# Altium PCB RemoteControl.PcbDoc (part 2 of 2) (continued)
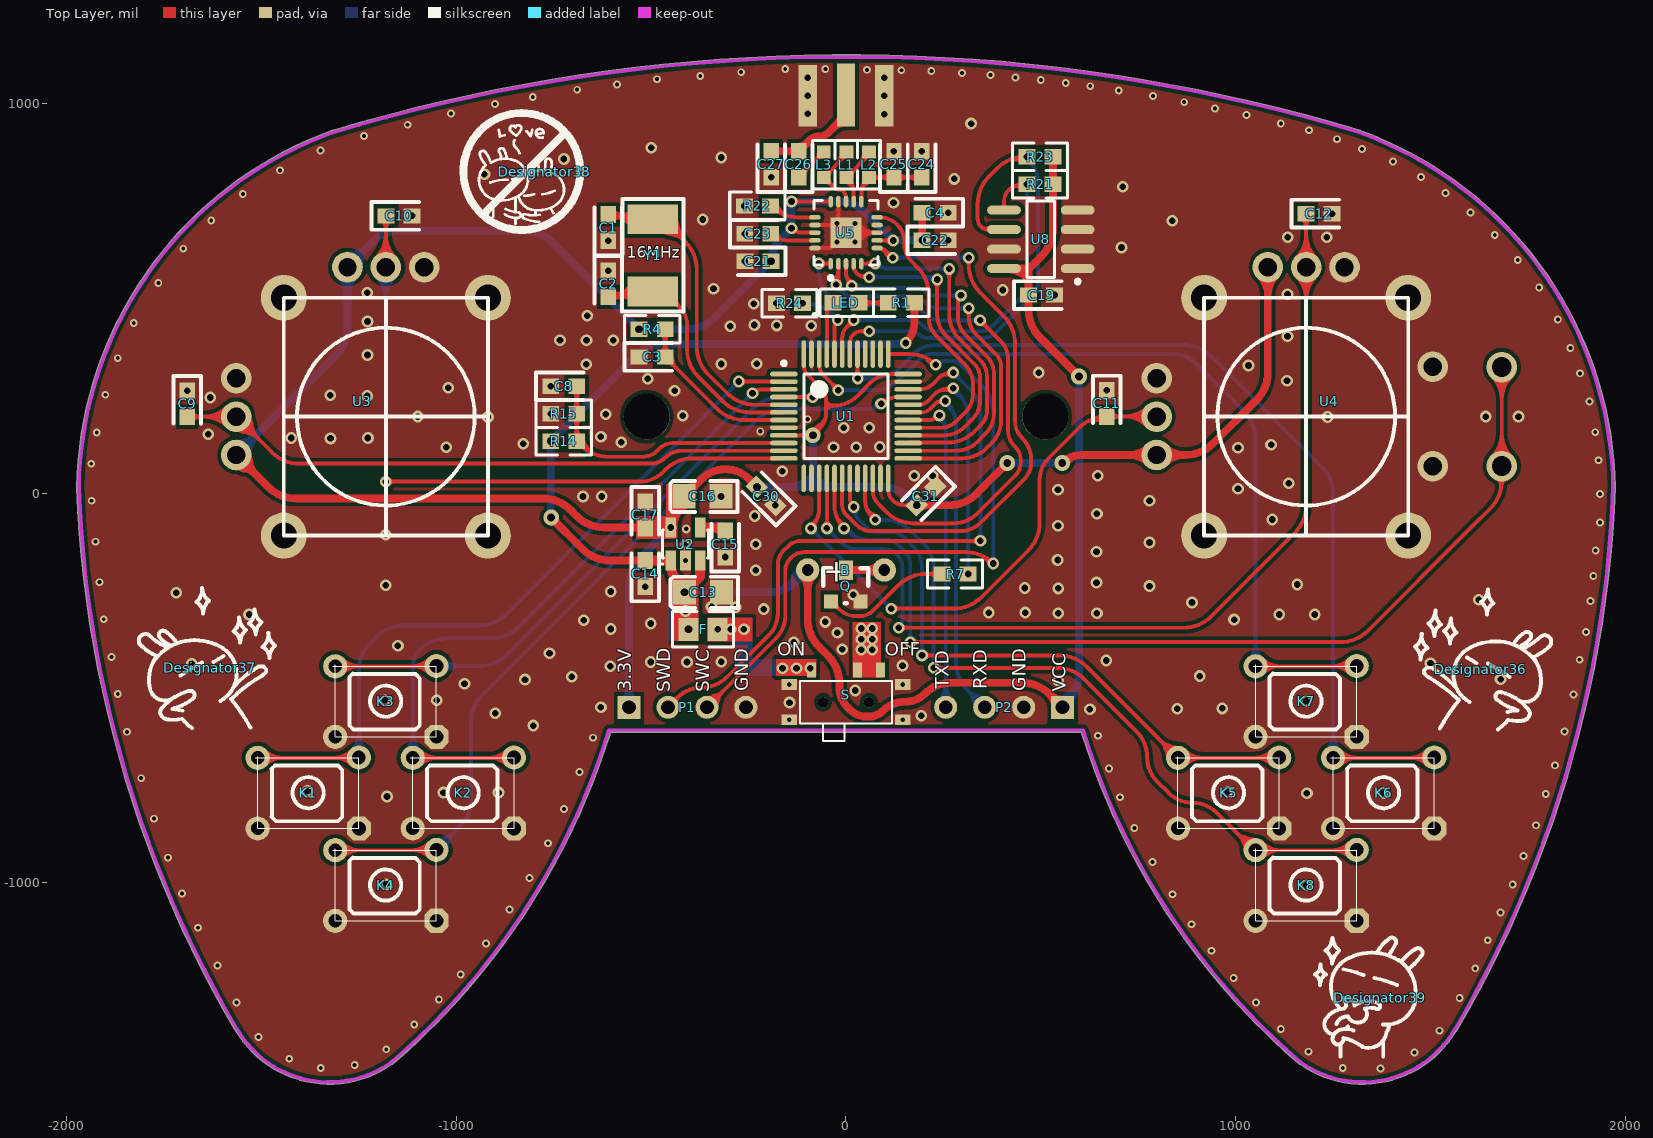
[diagram p0: Top Layer view]
## Nets (pads, with @x,y where several pads share a name; then routed paths per layer and width w, separated by ;. In a path a pad name is that pad's centre, name@x,y a point inside that pad or via, vN(x,y) a via of type N, cw(c..) or ccw(c..) an arc to the next point about the centre after c; other vN are vias at no path point) (continued)
NetR22_1: R22.1 U5.16 | length 261
  Top Layer w10: R22.1@-190.13,733.32 cw(c-183.46,718.33) -169.26,726.54 ; -120,708.37 -123.44,708.37 ; U5.16@-79.72,708.37 -123.44,708.37 ; R22.1@-194,737.6 ccw(c-123.44,808.16) -123.44,708.37 ; R22.1@-194,737.6 cw(c-123.44,808.16) R22.1@-194,737.6 R22.1@-194,737.6 ; R22.1@-188.22,723.42 cw(c-179.91,692.46) -163.9,720.23 ccw(c-179.91,692.46) R22.1@-188.22,723.42 ; R22.1@-177.85,741.41 ccw(c-140.32,751.48) -159.73,717.82 cw(c-140.32,751.48) R22.1@-177.85,741.41
NetR24_1: R24.1 U1.44 | length 393.8
  Top Layer w10: U1.44@-29.53,357.45 -29.53,424.41 cw(c-0.41,424.41) v1(-21,445) ; -28.54,431.93 ccw(c-34.08,435.12) -28.98,438.97 cw(c-34.08,435.12) -28.54,431.93 ; -28.54,431.93 cw(c-23.01,428.74) -22.23,435.08 ccw(c-23.01,428.74) -28.54,431.93
  Bottom Layer w10: v1(-111.54,488) -105.42,488 cw(c-105.42,388) -34.71,458.71 v1(-21,445) cw(c-21.58,460.43) -35.67,454.11 ; v1@-105.98,479.69 cw(c-90.29,456.25) -84.81,483.91 ccw(c-90.29,456.25) v1@-105.98,479.69 ; v1@-103.22,493.56 ccw(c-86.53,504.73) -90.44,485.03 cw(c-86.53,504.73) v1@-103.22,493.56 ; -44.8,466 cw(c-65.1,437.9) -30.87,443.41 ccw(c-65.1,437.9) -44.8,466 ; -32.73,457.28 ccw(c-24.76,468.31) -22.59,454.87 cw(c-24.76,468.31) -32.73,457.28
PA7: U1.17 U4.8 | length 3856.2
  Top Layer w10: U1.17@-29.53,38.55 -29.53,-31 ccw(c53.69,-31) v1@-5.18,-89.82 ; v1@-5.15,-89.85 v1(-5,-90) ; v1(165,-382) 1268.58,-382 ccw(c1268.58,-282) 1339.29,-352.71 1603,-89 1653.78,-38.22 ccw(c1583.07,32.49) 1683.07,32.49 U4.8@1683.07,69.9 U4.8@1683.07,323.8 ; 189.14,-382 ccw(c189.14,-406.14) 172.07,-389.07 cw(c189.14,-406.14) 189.14,-382 ; 189.14,-382 cw(c189.14,-357.86) 172.07,-374.93 ccw(c189.14,-357.86) 189.14,-382 ; 1680.84,18.69 ccw(c1663.14,21.55) 1669.97,38.12 cw(c1663.14,21.55) 1680.84,18.69 ; 1680.84,18.69 cw(c1705.98,14.62) 1696.23,38.15 ccw(c1705.98,14.62) 1680.84,18.69 ; 1683.07,128.73 ccw(c1741.9,128.73) 1700.3,87.13 cw(c1741.9,128.73) 1683.07,128.73 ; 1683.07,128.73 cw(c1624.24,128.73) 1665.84,87.13 ccw(c1624.24,128.73) 1683.07,128.73 ; 1683.07,152.87 ccw(c1766.05,152.87) 1707.37,94.2 cw(c1766.05,152.87) 1683.07,152.87 ; 1683.07,152.87 cw(c1600.09,152.87) 1658.77,94.2 ccw(c1600.09,152.87) 1683.07,152.87 ; 1683.07,240.83 ccw(c1600.09,240.83) 1658.77,299.5 cw(c1600.09,240.83) 1683.07,240.83 ; 1683.07,240.83 cw(c1766.05,240.83) 1707.37,299.5 ccw(c1766.05,240.83) 1683.07,240.83 ; 1683.07,264.97 ccw(c1624.24,264.97) 1665.84,306.57 cw(c1624.24,264.97) 1683.07,264.97 ; 1683.07,264.97 cw(c1741.9,264.97) 1700.3,306.57 ccw(c1741.9,264.97) 1683.07,264.97 ; -17.2,-68.98 ccw(c3.91,-56.81) -2.41,-80.34 cw(c3.91,-56.81) -17.2,-68.98 ; -17.04,-69.26 cw(c-37.76,-81.21) -14.66,-87.41 ccw(c-37.76,-81.21) -17.04,-69.26
  Bottom Layer w10: v1(-5,-90) -1.46,-93.54 ccw(c60,-32.09) 60,-119 100,-119 cw(c100,-169.7) 135.83,-133.83 150.45,-148.45 cw(c115.24,-183.61) 165,-183.61 v1(165,-382) ; v1@-1.39,-99.33 cw(c3.38,-111.68) 14.85,-105.06 ; 165,-357.86 ccw(c189.14,-357.86) 172.07,-374.93 cw(c189.14,-357.86) 165,-357.86 ; 165,-357.86 cw(c140.86,-357.86) 157.93,-374.93 ccw(c140.86,-357.86) 165,-357.86 ; v1@-2.41,-99.66 cw(c2.68,-118.68) 12.53,-101.63 ccw(c2.68,-118.68) v1@-2.41,-99.66 ; v1@4.66,-87.41 ccw(c32.28,-80.01) 17.98,-104.77 cw(c32.28,-80.01) v1@4.66,-87.41
RXD: P2.3 U1.31 | length 1446.8
  Top Layer w10: U1.31@159.45,207.84 193.89,207.84 ccw(c193.89,239.11) 215.99,216.99 228.01,229.01 cw(c247.31,209.69) 247.31,237 v1(255,237) ; 236.99,234.23 ccw(c233.24,248.23) 246.11,241.59 cw(c233.24,248.23) 236.99,234.23 ; 236.99,234.23 cw(c239.49,224.88) 247.12,230.84 ccw(c239.49,224.88) 236.99,234.23
  Bottom Layer w10: v1(255,237) v1@257.25,234.75 ; v1@257.28,234.72 cw(c197.5,175) 282,175 282,-433.58 ccw(c382,-433.58) 311.29,-504.29 P2.3@356,-549 ; v1@264.19,233.05 ccw(c275.47,228.2) 269.32,217.57 ; 325.48,-526.65 ccw(c362.61,-516.7) P2.3@354.9,-554.36 ; 333.65,-518.48 cw(c323.7,-555.61) P2.3@361.36,-547.9 ; 314.13,-507.13 ccw(c356,-465.26) 356,-524.47 cw(c356,-465.26) 314.13,-507.13 ; 314.13,-507.13 cw(c272.26,-549) 331.47,-549 ccw(c272.26,-549) 314.13,-507.13 ; 331.2,-524.2 ccw(c356,-499.4) 356,-534.47 cw(c356,-499.4) 331.2,-524.2 ; 331.2,-524.2 cw(c306.4,-549) 341.47,-549 ccw(c306.4,-549) 331.2,-524.2 ; v1@252.41,227.34 cw(c245.41,201.27) 268.79,214.76 ccw(c245.41,201.27) v1@252.41,227.34 ; v1@264.66,234.41 ccw(c285.22,228.89) 266.78,218.25 cw(c285.22,228.89) v1@264.66,234.41
SCK: U1.26 U5.3 | length 1249.3
  Top Layer w10: U5.3@0,589.28 0,569.21 ccw(c51.21,569.21) v1(15,533) ; U1.26@159.45,109.42 282.48,109.42 ccw(c282.48,186.52) 336.98,131.98 358.36,153.36 ccw(c306.74,204.99) 379.75,204.99 379.75,306.74 ccw(c315.74,306.74) 361,352 307,406 cw(c355.28,454.28) 287,454.28 287,488.69 cw(c314.31,488.69) v1(295,508) ; 2.93,553.92 ccw(c23.85,565.99) 17.59,542.66 cw(c23.85,565.99) 2.93,553.92 ; 2.93,553.9 cw(c-17.97,541.84) 5.34,535.59 ccw(c-17.97,541.84) 2.93,553.9
  Bottom Layer w10: v1@23.54,527.8 cw(c32.19,522.55) 37.25,531.31 ; 250,508 227.31,508 ; v1(295,508) 227.31,508 ; v1(15,533) ccw(c29.49,547.49) 29.49,527 cw(c29.49,547.49) v1(15,533) ; v1(15,533) 21,527 181.44,527 cw(c181.44,489.44) 207.97,516.03 ; 208.01,515.99 ccw(c227.31,535.31) 227.31,508 ; 207.97,516.03 208.01,515.99 ; 270.86,508 ccw(c270.86,532.14) 287.93,515.07 cw(c270.86,532.14) 270.86,508 ; 270.86,508 cw(c270.86,483.86) 287.93,500.93 ccw(c270.86,483.86) 270.86,508 ; v1@22.07,540.07 ccw(c53.63,571.63) 53.63,527 cw(c53.63,571.63) v1@22.07,540.07
SCL: R23.1 U1.42 U8.6 | length 1712.8
  Top Layer w10: U1.42@9.84,357.45 9.84,385.89 cw(c41.11,385.89) 19,408 cw(c38.31,388.69) 38.31,416 ; v1(60,416) 38.31,416 ; 338,722 338,704.31 ; U8.6@405.51,677 365.31,677 cw(c365.31,704.31) 346.01,684.99 cw(c365.31,704.31) 338,704.31 ; v1(464.54,864) 459.42,864 ccw(c459.42,764) 388.71,834.71 367.29,813.29 ccw(c438,742.58) 338,742.58 338,704.31 ; 38.31,416 ccw(c38.31,434.51) 52.39,422.49 cw(c38.31,434.51) 38.31,416 ; 38.31,416 cw(c38.31,397.49) 52.39,409.51 ccw(c38.31,397.49) 38.31,416 ; 355.43,679.65 ccw(c359.8,695.97) 369.93,682.45 cw(c359.8,695.97) 355.43,679.65 ; 426.2,856.04 cw(c435.04,819.13) 454.89,851.48 ccw(c435.04,819.13) 426.2,856.04 ; 429.64,856.87 ccw(c421.96,888.91) 450.05,871.68 cw(c421.96,888.91) 429.64,856.87 ; 438.26,859.69 cw(c443.77,832.62) 459.02,855.66 ccw(c443.77,832.62) 438.26,859.69 ; R23.1@443.09,860.68 ccw(c438.97,880.92) 456.2,869.52 cw(c438.97,880.92) R23.1@443.09,860.68
  Bottom Layer w10: v1(60,416) 166.45,416 cw(c166.45,385.7) 187.85,407.15 187.89,407.11 ccw(c209.3,428.55) 209.3,398.25 350,398.25 ccw(c350,447.81) 385.05,412.77 482.3,510.02 ccw(c457.82,534.46) 492.41,534.46 492.41,796.71 ccw(c397.24,796.71) v1(464.54,864) ; v1@473.43,859.44 ccw(c482.94,854.56) 477.6,845.3 ; 84.14,416 ccw(c84.14,391.86) 67.07,408.93 cw(c84.14,391.86) 84.14,416 ; 84.14,416 cw(c84.14,440.14) 67.07,423.07 ccw(c84.14,440.14) 84.14,416 ; 476.61,843.09 ccw(c455.7,831.02) 461.95,854.34 cw(c455.7,831.02) 476.61,843.09 ; 476.61,843.09 cw(c497.51,855.16) 474.2,861.41 ccw(c497.51,855.16) 476.61,843.09
SDA: R21.1 U1.43 U8.5 | length 1454
  Top Layer w10: U1.43@-9.84,357.45 -9.84,398 cw(c31.58,398) 2.27,427.27 ; 2.29,427.29 v1(20,445) ; 6.62,432.4 cw(c23.51,427.88) v1(20,445) ; 7.4,431.62 ccw(c2.88,448.51) v1(20,445) ; U8.5@405.51,727 405.51,748.85 cw(c448.15,748.85) 417.97,778.97 ; 418,779 cw(c451.8,745.2) 451.8,793 v1(464.54,793) ; 2.93,427.93 ccw(c-14.14,445) 10,445 cw(c-14.14,445) 2.93,427.93 ; 2.93,427.93 cw(c20,410.86) 20,435 ccw(c20,410.86) 2.93,427.93 ; 405.51,743.44 ccw(c421.96,743.44) 410.33,731.82 cw(c421.96,743.44) 405.51,743.44 ; 405.51,743.44 cw(c389.07,743.44) 400.7,731.82 ccw(c389.07,743.44) 405.51,743.44 ; 432.56,787.85 cw(c437.83,768.19) 452.2,782.6 ccw(c437.83,768.19) 432.56,787.85 ; 433.42,788.07 cw(c442.1,755.65) 459.39,784.43 ccw(c442.1,755.65) 433.42,788.07 ; 434.1,788.26 ccw(c427.39,813.31) 449.85,800.34 cw(c427.39,813.31) 434.1,788.26 ; R21.1@448.05,792 ccw(c444.72,804.44) 455.88,798 cw(c444.72,804.44) R21.1@448.05,792
  Bottom Layer w10: v1(20,445) 160.37,445 cw(c160.37,390.37) 198.98,429.02 ccw(c230.08,460.08) 230.08,416.13 346.33,416.13 ccw(c346.33,456.67) 375,428 446,499 ; v1(464.54,793) 464.54,535 cw(c422.37,535) 452.21,505.21 ; 44.14,445 ccw(c44.14,420.86) 27.07,437.93 cw(c44.14,420.86) 44.14,445 ; 44.14,445 cw(c44.14,469.14) 27.07,452.07 ccw(c44.14,469.14) 44.14,445 ; 446,499 452.21,505.21 ; 446,499 452.19,505.19 ; 464.54,768.86 ccw(c440.39,768.86) 457.46,785.93 cw(c440.39,768.86) 464.54,768.86 ; 464.54,768.86 cw(c488.68,768.86) 471.61,785.93 ccw(c488.68,768.86) 464.54,768.86
SWCLK: P1.3 U1.37 | length 2390.8
  Top Layer w10: P1.3@-362.36,-547.9 cw(c-324.7,-555.61) -334.65,-518.48 ; P1.3@-357,-549 -178.98,-370.98 ccw(c-234.53,-315.47) -156,-315.47 -156,-200 cw(c-107.72,-200) -141.88,-165.88 ; P1.3@-355.9,-554.36 ccw(c-363.61,-516.7) -326.48,-526.65 ; -141.86,-165.86 -141.5,-165.5 cw(c-106.49,-200.51) -106.49,-151 307.99,-151 cw(c307.99,-250.01) v1(378,-180) ; U1.37@108.27,357.45 163.73,357.45 cw(c163.73,263.73) v1(230,330) ; -332.2,-524.2 ccw(c-307.4,-549) -342.47,-549 cw(c-307.4,-549) -332.2,-524.2 ; -332.2,-524.2 cw(c-357,-499.4) -357,-534.47 ccw(c-357,-499.4) -332.2,-524.2 ; -315.13,-507.13 ccw(c-273.26,-549) -332.47,-549 cw(c-273.26,-549) -315.13,-507.13 ; -315.13,-507.13 cw(c-357,-465.26) -357,-524.47 ccw(c-357,-465.26) -315.13,-507.13 ; 209.09,342.07 ccw(c221.16,362.98) 227.41,339.66 cw(c221.16,362.98) 209.09,342.07 ; 209.09,342.07 cw(c197.02,321.16) 220.34,327.41 ccw(c197.02,321.16) 209.09,342.07 ; 357.21,-167.73 ccw(c369.48,-146.94) 375.51,-170.32 cw(c369.48,-146.94) 357.21,-167.73 ; 357.21,-167.73 cw(c344.94,-188.52) 368.32,-182.49 ccw(c344.94,-188.52) 357.21,-167.73
  Bottom Layer w10: v1(230,330) cw(c254.14,305.86) 254.14,340 274,340 cw(c274,314.84) 291.78,332.64 348.71,275.71 cw(c278,205) 378,205 v1(378,-180) ; 245.34,338.85 ccw(c250.67,329.6) 240,329.81 cw(c250.67,329.6) 245.34,338.85 ; 245.34,338.85 cw(c240,348.11) 234.84,338.75 ccw(c240,348.11) 245.34,338.85 ; 378,-155.86 ccw(c402.14,-155.86) 385.07,-172.93 cw(c402.14,-155.86) 378,-155.86 ; 378,-155.86 cw(c353.86,-155.86) 370.93,-172.93 ccw(c353.86,-155.86) 378,-155.86
SWDIO: P1.2 U1.34 | length 2030.1
  Top Layer w10: P1.2@-457,-549 -431.04,-523.04 ; -115,-122 -115.2,-122 ; U1.34@159.45,266.9 188.95,266.9 ccw(c188.95,315.05) 223,281 237.5,295.5 cw(c272.51,260.49) 272.51,310 v1(275,310) ; v1(345,-122) -115.2,-122 ; -431.04,-523.04 cw(c-373,-581.08) -373,-499 ccw(c-373,-402.43) -304.72,-470.72 -197.98,-363.98 ccw(c-253.53,-308.47) -175,-308.47 -175,-183.21 cw(c-123.79,-183.21) -160.01,-147.01 -149,-136 cw(c-115.2,-169.8) -115.2,-122 ; -431.04,-523.04 ccw(c-420.29,-533.8) -434.34,-539.61 cw(c-420.29,-533.8) -431.04,-523.04 ; -431.04,-523.04 cw(c-441.8,-512.29) -447.61,-526.34 ccw(c-441.8,-512.29) -431.04,-523.04 ; 320.86,-122 ccw(c320.86,-97.86) 337.93,-114.93 cw(c320.86,-97.86) 320.86,-122 ; 320.86,-122 cw(c320.86,-146.14) 337.93,-129.07 ccw(c320.86,-146.14) 320.86,-122 ; 250.01,303.97 cw(c256.83,278.52) 270,301.34 ccw(c256.83,278.52) 250.01,303.97 ; 253.02,304.78 ccw(c247.34,325.97) 266.34,315 cw(c247.34,325.97) 253.02,304.78
  Bottom Layer w10: v1(275,310) 319,266 cw(c256.23,203.23) 345,203.23 v1(345,-122) ; 292.07,292.93 ccw(c275,275.86) 275,300 cw(c275,275.86) 292.07,292.93 ; 292.07,292.93 cw(c309.14,310) 285,310 ccw(c309.14,310) 292.07,292.93 ; 345,-97.86 ccw(c369.14,-97.86) 352.07,-114.93 cw(c369.14,-97.86) 345,-97.86 ; 345,-97.86 cw(c320.86,-97.86) 337.93,-114.93 ccw(c320.86,-97.86) 345,-97.86
TXD: P2.4 U1.30 | length 1285.6
  Top Layer w10: U1.30@159.45,188.16 211.41,188.16 ccw(c211.41,228.59) v1(240,200) ; 221.88,189.54 ccw(c213.43,204.17) 230.12,201.55 cw(c213.43,204.17) 221.88,189.54 ; 221.88,189.54 cw(c230.33,174.9) 236.4,190.67 ccw(c230.33,174.9) 221.88,189.54
  Bottom Layer w10: v1(240,200) cw(c201.37,161.37) 256,161.37 P2.4@256,-549 ; v1@248.9,195.43 ccw(c258.4,190.55) 253.05,181.3 ; 256,-513.93 ccw(c291.07,-513.93) 266.27,-538.73 cw(c291.07,-513.93) 256,-513.93 ; 256,-513.93 cw(c220.93,-513.93) 245.73,-538.73 ccw(c220.93,-513.93) 256,-513.93 ; 256,-489.79 ccw(c315.21,-489.79) 273.34,-531.66 cw(c315.21,-489.79) 256,-489.79 ; 256,-489.79 cw(c196.79,-489.79) 238.66,-531.66 ccw(c196.79,-489.79) 256,-489.79 ; v1@237.41,190.34 cw(c231.14,167) 252.08,179.07 ccw(c231.14,167) v1@237.41,190.34 ; v1@249.66,197.41 ccw(c272.95,191.15) 252.06,179.1 cw(c272.95,191.15) v1@249.66,197.41
VCC: B.1 C13.2 C14.2 C19.1 F.2 P2.1 R1.1 R14.1 R21.2 R23.2 U2.1 U2.3 U8.8 | length 7311.5
  Top Layer w20: v3(-757,-62) -675.75,-143.25 ccw(c-605.04,-72.54) -605.04,-172.54 ; -553,-172.54 -605.04,-172.54 ; C14.2@-515,-172.54 -605.04,-172.54 ; B.1@-98.43,-196.85 -98.43,-323.15 ccw(c1.57,-323.15) -69.14,-393.86 -57.71,-405.29 ; v1(153,386) ccw(c98.77,440.23) 175.46,440.23 R1.1@175.46,489 ; 531.46,712 531.46,679.89 ; R23.2@531.46,864 R21.2@531.46,793 531.46,679.89 ; P2.1@556,-549 522.29,-515.29 ccw(c451.58,-586) 451.58,-486 270.6,-486 ccw(c270.6,-581.6) 203,-514 cw(c152.3,-463.3) 152.3,-535 150.53,-535 ccw(c150.53,-613.53) 95.02,-557.98 cw(c58.79,-521.79) 58.79,-573 53,-573 cw(c53,-512.64) 10.32,-555.32 5,-550 cw(c58.11,-496.89) -17,-496.89 -17,-487 ccw(c-115.98,-487) -45.96,-417.04 ; v3(598,300) 497.83,400.17 cw(c568.54,470.89) 468.54,470.89 C19.1@468.54,509 468.54,550 ; -739.93,-79.07 ccw(c-757,-96.14) -757,-72 cw(c-757,-96.14) -739.93,-79.07 ; -739.93,-79.07 cw(c-722.86,-62) -747,-62 ccw(c-722.86,-62) -739.93,-79.07 ; -538.38,-172.54 ccw(c-538.38,-149.15) -521.85,-165.69 cw(c-538.38,-149.15) -538.38,-172.54 ; -538.38,-172.54 cw(c-538.38,-195.92) -521.85,-179.38 ccw(c-538.38,-195.92) -538.38,-172.54 ; -98.43,-245.13 ccw(c-146.71,-245.13) -112.57,-210.99 cw(c-146.71,-245.13) -98.43,-245.13 ; -98.43,-245.13 cw(c-50.14,-245.13) -84.28,-210.99 ccw(c-50.14,-245.13) -98.43,-245.13 ; -57.71,-405.29 -45.96,-417.04 ; -57.71,-405.29 -45.99,-417.01 cw(c-115.98,-487) -45.96,-417.04 ; 175.46,465.62 ccw(c152.08,465.62) 168.62,482.15 cw(c152.08,465.62) 175.46,465.62 ; 175.46,465.62 cw(c198.85,465.62) 182.31,482.15 ccw(c198.85,465.62) 175.46,465.62 ; 468.54,485.62 ccw(c445.15,485.62) 461.69,502.15 cw(c445.15,485.62) 468.54,485.62 ; 468.54,485.62 cw(c491.92,485.62) 475.38,502.15 ccw(c491.92,485.62) 468.54,485.62 ; 468.54,532.38 ccw(c491.92,532.38) 475.38,515.85 cw(c491.92,532.38) 468.54,532.38 ; 468.54,532.38 cw(c445.15,532.38) 461.69,515.85 ccw(c445.15,532.38) 468.54,532.38 ; 468.54,550 468.54,575.54 470,577 ; 468.54,550 467.01,551.53 ccw(c405.51,490.03) U8.8@405.51,577 470,577 ; 470,577 502.17,609.17 ccw(c431.46,679.89) 531.46,679.89 ; 522.66,-515.66 ccw(c556,-482.33) 556,-529.47 cw(c556,-482.33) 522.66,-515.66 ; 522.66,-515.66 cw(c489.33,-549) 536.47,-549 ccw(c489.33,-549) 522.66,-515.66 ; 531.46,769.62 ccw(c508.08,769.62) 524.62,786.15 cw(c508.08,769.62) 531.46,769.62 ; 531.46,769.62 cw(c554.85,769.62) 538.31,786.15 ccw(c554.85,769.62) 531.46,769.62 ; 531.46,816.38 ccw(c554.85,816.38) 538.31,799.85 cw(c554.85,816.38) 531.46,816.38 ; 531.46,816.38 cw(c508.08,816.38) 524.62,799.85 ccw(c508.08,816.38) 531.46,816.38 ; 531.46,840.62 ccw(c508.08,840.62) 524.62,857.15 cw(c508.08,840.62) 531.46,840.62 ; 531.46,840.62 cw(c554.85,840.62) 538.31,857.15 ccw(c554.85,840.62) 531.46,840.62 ; 580.93,317.07 ccw(c598,334.14) 598,310 cw(c598,334.14) 580.93,317.07 ; 580.93,317.07 cw(c563.86,300) 588,300 ccw(c563.86,300) 580.93,317.07 ; U8.8@438.58,577.91 ccw(c466.47,594.01) 458.13,562.9 cw(c466.47,594.01) U8.8@438.58,577.91
  Top Layer w25: C14.2@-515,-172.54 -514.79,-172.32 U2.1@-449.4,-172.32 -449.4,-177.42 ccw(c-349.4,-177.42) -420.11,-248.13 v3(-414.24,-254) -374.6,-214.35 U2.3@-374.6,-172.32 ; -441.28,-217.43 cw(c-453.52,-238.62) C13.2@-430.36,-246.53 ; -442.13,-216.94 cw(c-462.55,-252.31) C13.2@-421.74,-253.74 ; -442.13,-216.94 cw(c-462.55,-252.31) C13.2@-421.74,-253.74 ; -442.13,-216.94 cw(c-462.55,-252.31) C13.2@-421.74,-253.74 ; -441.29,-211.45 ccw(c-396.43,-185.55) -409.84,-235.58 cw(c-396.43,-185.55) -441.29,-211.45 ; C13.2@-433.73,-224.55 cw(c-460.07,-239.75) -430.69,-247.62 ccw(c-460.07,-239.75) C13.2@-433.73,-224.55 ; C13.2@-427.75,-234.9 ccw(c-405.72,-222.18) -412.3,-246.76 cw(c-405.72,-222.18) C13.2@-427.75,-234.9 ; C13.2@-414.24,-235 ccw(c-414.24,-189.14) -381.82,-221.57 cw(c-414.24,-189.14) C13.2@-414.24,-235 ; C13.2@-397.22,-252.03 cw(c-360.86,-252.03) -386.57,-226.32 ccw(c-360.86,-252.03) C13.2@-397.22,-252.03
  Bottom Layer w20: v3@-757.93,-62 v3(-757.93,134) -538.09,353.84 cw(c-467.38,283.13) -467.38,383.13 150.13,383.13 v1(153,386) ; v3(-414.24,-254) -197,-254 ccw(c-197,-154) -126.29,-224.71 B.1@-98.43,-196.85 ccw(c-102.31,-228.27) -129.74,-212.44 ; -144.83,-238.58 cw(c-106.34,-260.81) B.1@-100.88,-216.7 ; P2.1@555.55,-549.14 cw(c578.91,-542.15) P2.1@566.72,-521.03 ; P2.1@556,-549 568.71,-536.29 ccw(c498,-465.58) 598,-465.58 ; P2.1@574.71,-543.41 cw(c603.83,-534.7) 588.63,-508.38 ; 598,-400 598,-465.58 ; v3(598,300) 598,-465.58 ; -757.93,109.86 ccw(c-782.07,109.86) -765,126.93 cw(c-782.07,109.86) -757.93,109.86 ; -757.93,109.86 cw(c-733.79,109.86) -750.86,126.93 ccw(c-733.79,109.86) -757.93,109.86 ; -740.86,151.07 ccw(c-723.79,134) -747.93,134 cw(c-723.79,134) -740.86,151.07 ; -740.86,151.07 cw(c-757.93,168.14) -757.93,144 ccw(c-757.93,168.14) -740.86,151.07 ; -390.1,-254 ccw(c-390.1,-278.14) -407.17,-261.07 cw(c-390.1,-278.14) -390.1,-254 ; -390.1,-254 cw(c-390.1,-229.86) -407.17,-246.93 ccw(c-390.1,-229.86) -390.1,-254 ; 598,275.86 ccw(c573.86,275.86) 590.93,292.93 cw(c573.86,275.86) 598,275.86 ; 598,275.86 cw(c622.14,275.86) 605.07,292.93 ccw(c622.14,275.86) 598,275.86 ; v3@-764.07,-54.93 ccw(c-778.9,-40.1) -757.93,-40.1 cw(c-778.9,-40.1) v3@-764.07,-54.93 ; -757.93,-35.61 ccw(c-730.61,-35.61) -749.93,-54.93 cw(c-730.61,-35.61) -757.93,-35.61 ; -156.46,-242.13 ccw(c-198.01,-170.17) -117.74,-191.67 cw(c-198.01,-170.17) -156.46,-242.13 ; 133.99,383.13 ccw(c133.99,405.01) 149.46,389.54 cw(c133.99,405.01) 133.99,383.13 ; P2.1@550.95,-530.14 ccw(c534.63,-469.26) 589.22,-500.77 cw(c534.63,-469.26) P2.1@550.95,-530.14 ; P2.1@574.86,-543.95 cw(c605.06,-535.86) 577.98,-520.23 ccw(c605.06,-535.86) P2.1@574.86,-543.95
  other v1: -412,-302
  other v3: -404.4,-349
W_CE: U1.22 U5.1 | length 1800.3
  Top Layer w10: v1(-70,590) -69.28,589.28 U5.1@-39.37,589.28 ; U1.22@68.9,38.55 68.9,7.05 ccw(c117.05,7.05) 82.97,-26.97 103.71,-47.71 ccw(c174.42,23) 174.42,-77 275,-77 ccw(c275,12.33) 338.16,-50.84 433.09,44.09 ccw(c394.68,82.5) 449,82.5 ccw(c394.68,82.5) 433.09,120.91 432.44,121.56 ; 356.72,430.62 cw(c361.25,447.51) v1(344.13,444) ; 357.5,431.4 ccw(c340.62,426.88) v1(344.13,444) ; 432.42,121.58 cw(c472.42,161.55) 415.87,161.55 415.87,345 ccw(c350.08,345) 396.6,391.52 v1(344.13,444) ; 361.2,426.93 ccw(c344.13,409.86) 344.13,434 cw(c344.13,409.86) 361.2,426.93 ; 361.2,426.93 cw(c378.27,444) 354.13,444 ccw(c378.27,444) 361.2,426.93 ; v1@-62.93,582.93 cw(c-47.61,567.61) -47.61,589.28 ccw(c-47.61,567.61) v1@-62.93,582.93 ; v1@-62.93,597.07 ccw(c-44.11,615.89) -44.11,589.28 cw(c-44.11,615.89) v1@-62.93,597.07
  Bottom Layer w10: v1(-70,590) -70,570.06 ; -44.5,508.5 cw(c17.06,570.06) -44.54,508.54 ; 270,444 240.21,444 ; v1(344.13,444) 240.21,444 ; -70,570.06 ccw(c17.06,570.06) -44.54,508.54 ; -70,570.06 ccw(c-84.87,570.06) -75.98,581.98 cw(c-84.87,570.06) -70,570.06 ; -70,570.06 cw(c-55.13,570.06) -64.02,581.98 ccw(c-55.13,570.06) -70,570.06 ; -44.54,508.54 -38,502 ccw(c7.87,547.87) 7.87,483 152.42,483 cw(c152.42,416.42) 199.5,463.5 204.01,458.99 ccw(c240.21,495.21) 240.21,444 ; 319.98,444 ccw(c319.98,468.14) 337.05,451.07 cw(c319.98,468.14) 319.98,444 ; 319.98,444 cw(c319.98,419.86) 337.05,436.93 ccw(c319.98,419.86) 319.98,444
W_CSN: U1.25 U5.2 | length 1375.1
  Top Layer w10: U5.2@-19.68,589.28 v1@-19.68,547.83 ; U1.25@159.45,89.73 297.58,89.73 ccw(c297.58,179.42) 360.99,115.99 374.03,129.03 ccw(c316.06,186.94) 398,186.94 398,325.63 ccw(c353.65,325.63) 385.02,356.98 380,362 ; v1(315,475) 315,452.46 ; 385.01,356.99 380,362 ; v1(-25,535) ccw(c-37.83,547.83) v1@-19.68,547.83 ; v1(-25,535) ccw(c-37.83,547.83) v1@-19.68,547.83 ; v1(-25,535) -19.68,540.32 v1@-19.68,547.83 ; 315,452.46 ccw(c376.46,452.46) 332.97,409.03 380,362 ; 315,452.46 ccw(c294.59,452.46) 308.29,467.59 cw(c294.59,452.46) 315,452.46 ; 315,452.46 cw(c335.41,452.46) 321.71,467.59 ccw(c335.41,452.46) 315,452.46 ; v1@-32.07,542.07 ccw(c-61.98,571.98) -19.68,571.98 cw(c-61.98,571.98) v1@-32.07,542.07
  Bottom Layer w10: v1(-25,535) -25,533.58 -4.41,512.99 ccw(c14.89,532.31) 14.89,505 166.79,505 cw(c166.79,453.79) 202.99,490.01 ccw(c239.23,526.24) 239.23,475 ; 266.5,475 239.23,475 ; v1(315,475) 239.23,475 ; 290.86,475 ccw(c290.86,499.14) 307.93,482.07 cw(c290.86,499.14) 290.86,475 ; 290.86,475 cw(c290.86,450.86) 307.93,467.93 ccw(c290.86,450.86) 290.86,475 ; v1@-25,525 cw(c-25,504.29) -10.35,518.93 ccw(c-25,504.29) v1@-25,525 ; v1@-15,535 ccw(c12.57,535) -6.93,515.51 cw(c12.57,535) v1@-15,535
W_IRQ: U1.18 U5.6 | length 1964.8
  Top Layer w10: -9.84,-30 -9.84,-30.66 ; U1.18@-9.84,38.55 -9.84,-30.66 ; 26.02,-80.44 24,-78.42 ; U5.6@79.72,629.63 cw(c79.72,591.86) 106.42,618.58 ; 104.4,612.69 ccw(c117.96,620.53) v1(120,605) 106.43,618.57 ; v1@309.49,596.65 cw(c302.74,586.42) 315,586.42 ; v1(315,605) 315,586.42 ; v1@320.51,596.65 ccw(c327.26,586.42) 315,586.42 ; 355,-66 345.92,-75.08 ; 359.73,500.27 344.29,515.71 ; 433.75,200 433.75,185.32 ; -9.84,-30.66 ccw(c23.76,-30.66) 0,-54.42 24,-78.42 ; 24,-78.42 26.05,-80.47 ccw(c66,-40.46) 66,-97 293,-97 ccw(c293,-22.16) 345.92,-75.08 ; 106.43,618.57 ccw(c115.91,628.04) v1@118.25,614.85 ; 106.43,618.57 cw(c96.96,609.09) v1@110.15,606.75 ; 106.42,618.58 ccw(c115.92,628.08) v1@118.26,614.85 ; 106.42,618.58 cw(c96.92,609.08) v1@110.15,606.74 ; 106.43,618.57 ccw(c115.91,628.04) v1@118.25,614.85 ; 106.43,618.57 cw(c96.96,609.09) v1@110.15,606.75 ; 106.43,618.57 ccw(c115.91,628.04) v1@118.25,614.85 ; 106.43,618.57 cw(c96.96,609.09) v1@110.15,606.75 ; 106.42,618.58 ccw(c115.92,628.08) v1@118.26,614.85 ; 106.42,618.58 cw(c96.92,609.08) v1@110.15,606.74 ; 106.43,618.57 ccw(c115.91,628.04) v1@118.25,614.85 ; 106.43,618.57 cw(c96.96,609.09) v1@110.15,606.75 ; 315,586.42 ccw(c415,586.42) 344.29,515.71 ; 344.29,515.71 404.46,455.54 cw(c333.75,384.83) 433.75,384.83 433.75,185.32 ; 345.92,-75.08 458.03,37.03 ccw(c417.06,78) 475,78 475,86.64 ccw(c396.2,86.64) 451.92,142.36 451.28,143 cw(c493.6,185.32) 433.75,185.32 ; U5.6@89.37,630.08 ccw(c98.04,635.09) 95.45,625.42 cw(c98.04,635.09) U5.6@89.37,630.08 ; U5.6@91.16,627.38 cw(c70.61,591.74) 110.34,602.41 ccw(c70.61,591.74) U5.6@91.16,627.38 ; 103.93,620.02 cw(c97.52,608.92) 110.15,606.72 ccw(c97.52,608.92) 103.93,620.02
  Bottom Layer w10: v1(120,605) v1(315,605) ; v1@307.93,597.93 ccw(c290.86,580.86) 290.86,605 ccw(c290.86,629.14) v1@307.93,612.07 ; 144.14,605 ccw(c144.14,580.86) 127.07,597.93 cw(c144.14,580.86) 144.14,605 ; 144.14,605 cw(c144.14,629.14) 127.07,612.07 ccw(c144.14,629.14) 144.14,605
pads on no net: S.0 U1.1 U1.13 U1.14 U1.20 U1.38 U1.39 U1.40 U5.9

## Polygon pours and split planes (outlines as drawn)
GND on Top Layer "Top Layer-No Net" (solid, remove dead copper, pour order 8): -2338,1308 -2320,1290 2484,1290 2484,-1406 2216,-1674 2168,-1722 -2088,-1722
GND on Bottom Layer "Top Layer-No Net" (solid, remove dead copper, pour order 10): -2171,1129 -1915,1385 2591,1385 2591,-1651 2359,-1883 2251,-1775 -2528,-1775

## Keep-outs
Keep-Out Layer:
  lines w10: -1969,14.99 ccw(c988,123) -1564.83,-1373.18 ; -1968.89,15 cw(c-984.5,0) -1316.6,926.8 ; -1564.34,-1372.91 ccw(c-1326,-1237) -1166.06,-1459.92 ; -1318.54,925.49 cw(c2.32,-3450.23) 1316.53,927.49 ; -1165.93,-1460.05 ccw(c-2361.5,-68.5) -608,-608.01 608,-608 ccw(c2361.5,-68.5) 1165.93,-1460.05 ; 1166.06,-1459.92 ccw(c1326,-1237) 1564.34,-1372.91 ; 1316.28,926.91 cw(c984.5,0) 1968.88,15 ; 1564.83,-1373.18 ccw(c-988,123) 1969,14.99

## Other copper
Top Layer:
  rectangle net 3.3V: -462,-117 -432,24
  rectangle net 3.3V: -539,-117 -432,-58
  rectangle net VCC: -445,-379 -378,-220
  rectangle net NetF_1: -356,-380 -240,-319
  rectangle net NetF_1: -180,-469 -76,-425
  rectangle net NetP6_2: 17,-473 90,-330
Bottom Layer:
  rectangle net VCC: -455,-379 -378,-209
  rectangle net NetF_1: -285,-465 -240,-319
  rectangle net NetF_1: -356,-380 -240,-319
  rectangle net NetF_1: -285,-469 -76,-425
  rectangle net NetP6_2: 17,-420 90,-330

## Silkscreen, mask and mechanical layers (free items; w line width, h text height)
Top Overlay:
  text "ON" at -177,-428 h59.06
  text "OFF" at 99,-428 h59.06
  text "TXD" at 275,-501 h59.06 r90
  text "RXD" at 373,-503 h59.06 r90
  text "GND" at -239,-508 h59.06 r90
  text "GND" at 473,-508 h59.06 r90
  text "3.3V" at -540,-509 h59.06 r90
  text "VCC" at 575,-509 h59.06 r90
  text "SWD" at -439,-511 h59.06 r90
  text "SWC" at -339,-511 h59.06 r90
Bottom Overlay:
  text "X4" at 406,138 h787.4
  text "-" at -179,-403 h98.42
  text "+" at 117,-403 h98.42
  text "POWER" at 133,-512 h98.43

## Text inside footprints (layer, text, board x,y; h text height)
B: Top Overlay "+" at -58.43,-226.85 h60